# Altium PCB coreBoard_autotrack.PcbDoc (part 1 of 3) (continued)
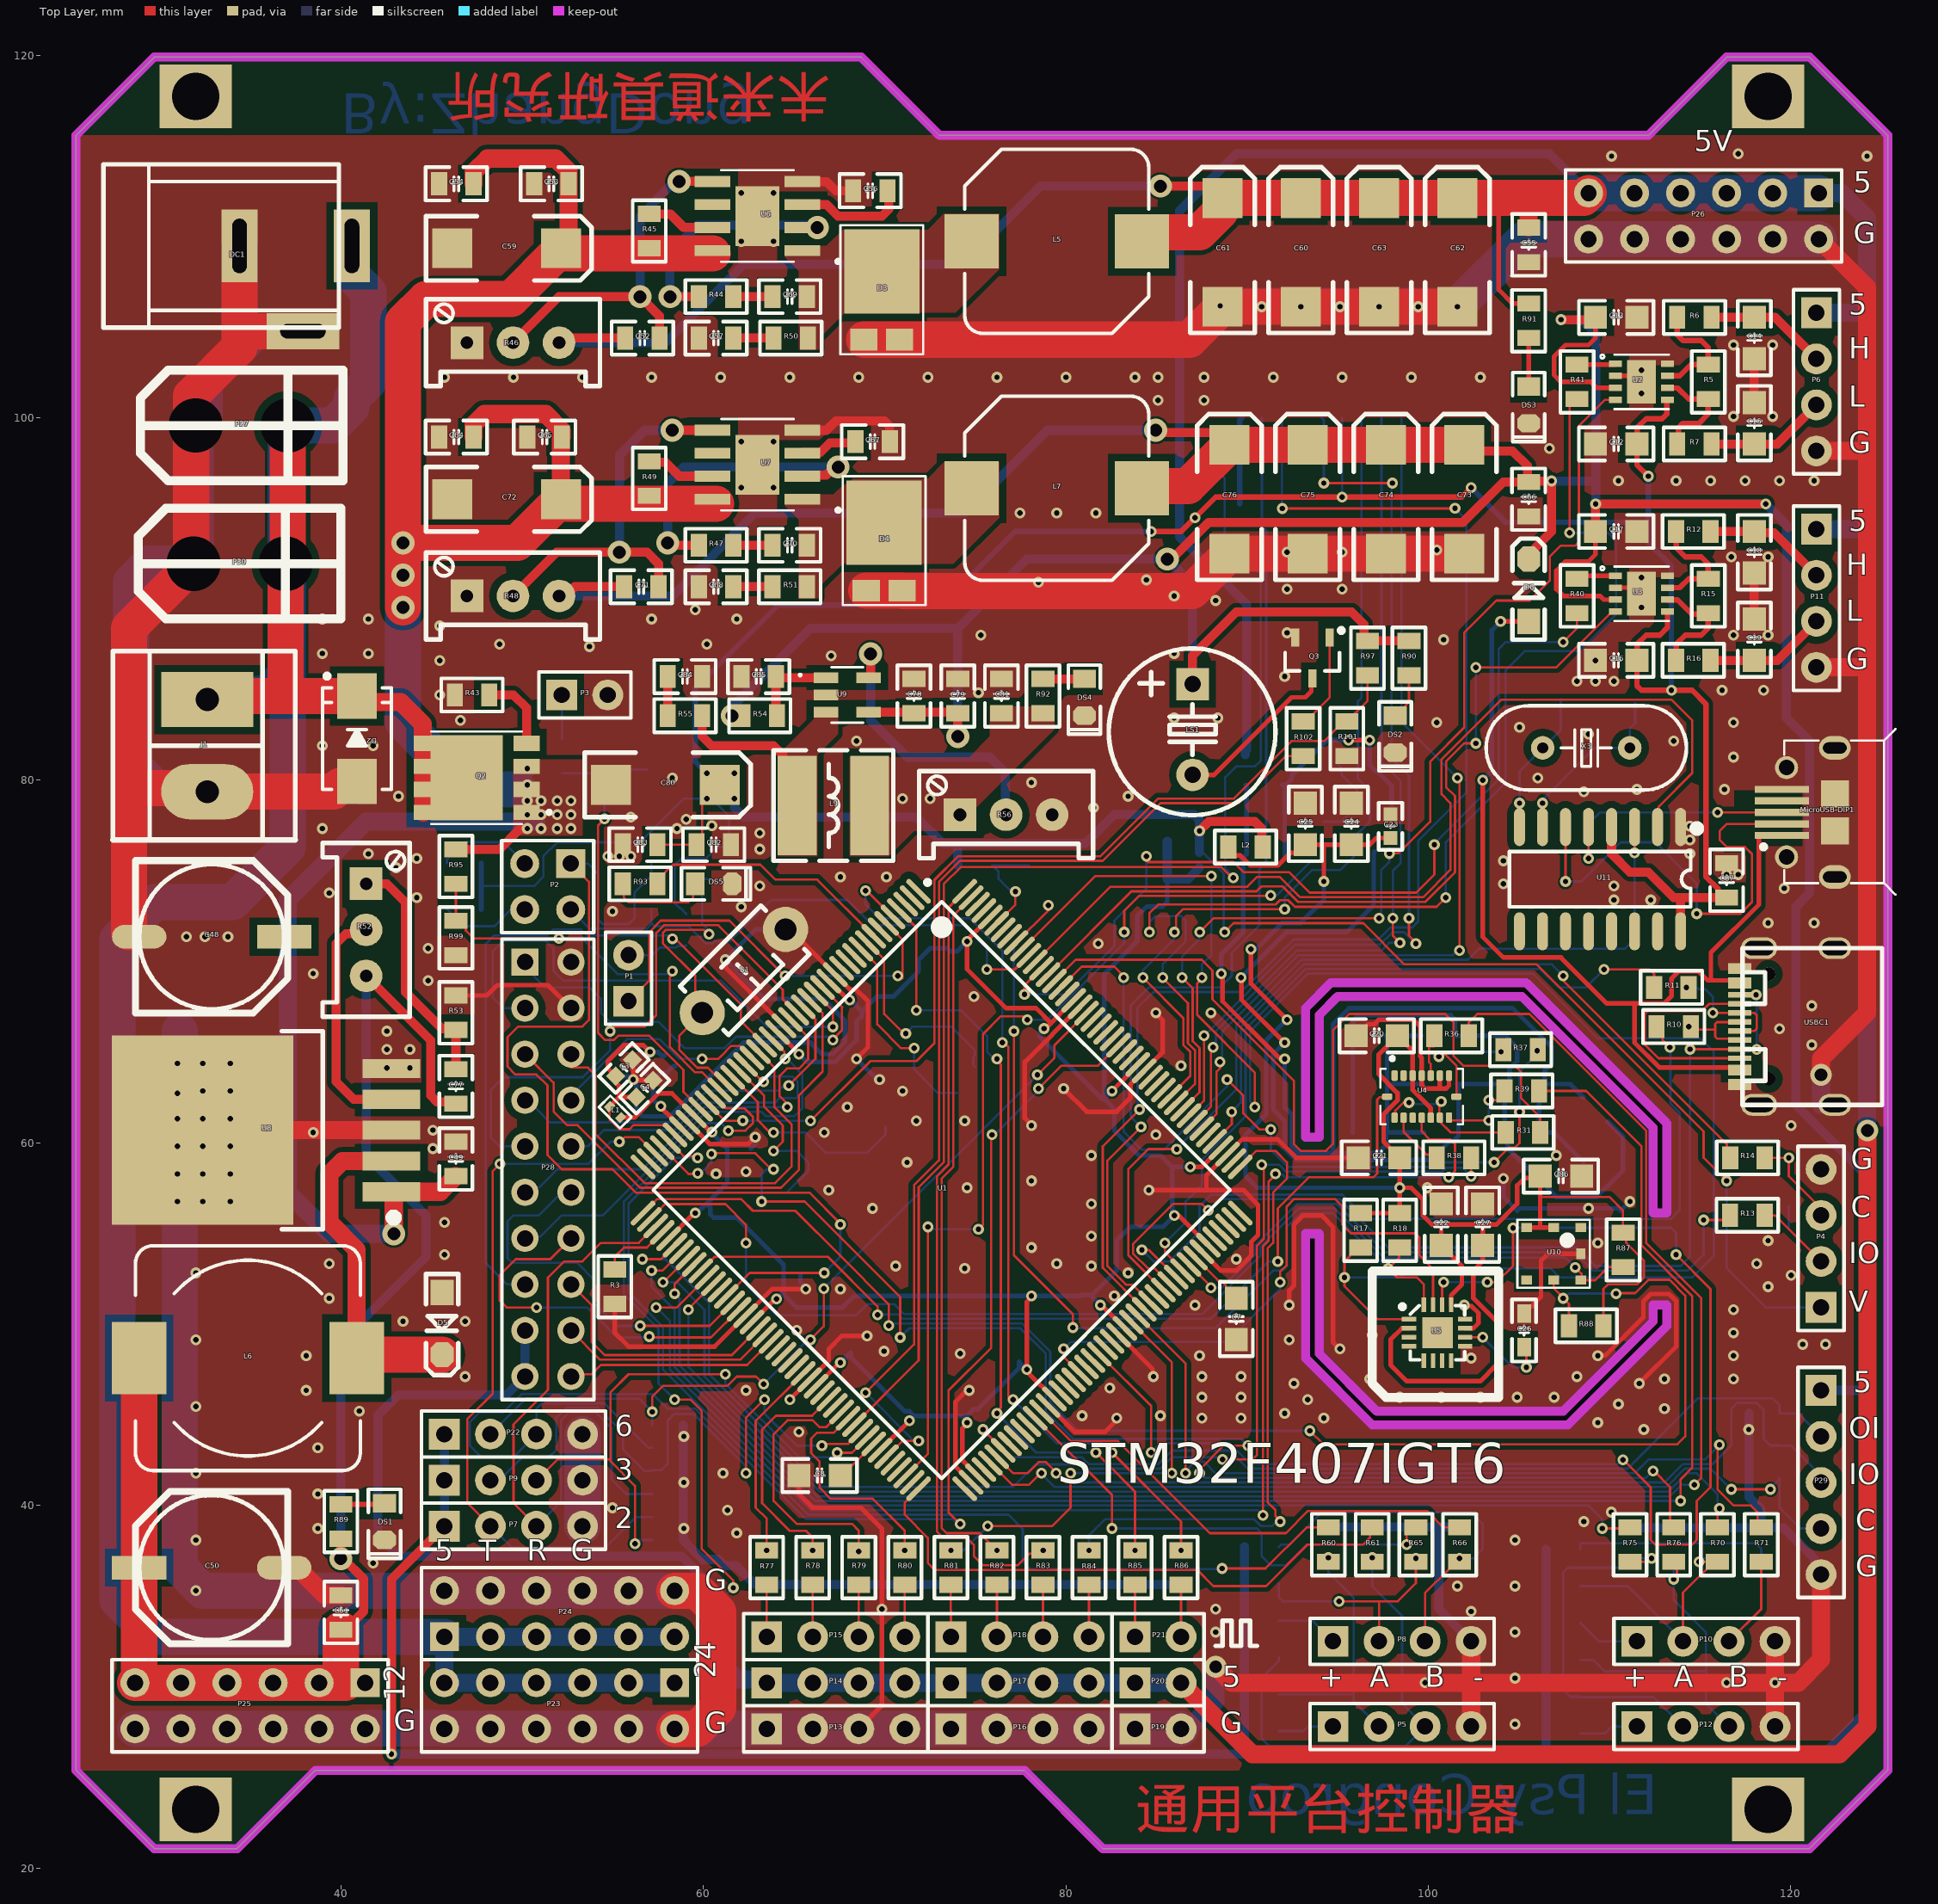
[diagram p0: Top Layer view]
## Components (designator, comment, footprint, x,y, rotation, side; value= is the part's Value field where it differs from the comment) (continued)
P11 "CAN2" HDR2.54-LI-4P 121.412,90.043 r270 top
P12 "E1" HDR2.54-LI-4P 115.316,27.813 r0 top
P13 "Header 4" HDR2.54-LI-4P 67.31,27.686 r0 top
P14 "Header 4" HDR2.54-LI-4P 67.31,30.226 r0 top
P15 "Header 4" HDR2.54-LI-4P 67.31,32.766 r0 top
P16 "Header 4" HDR2.54-LI-4P 77.47,27.686 r0 top
P17 "Header 4" HDR2.54-LI-4P 77.47,30.226 r0 top
P18 "Header 4" HDR2.54-LI-4P 77.47,32.766 r0 top
P19 "Header 2" HDR2.54-LI-2P 85.09,27.686 r0 top
P20 "Header 2" HDR2.54-LI-2P 85.09,30.226 r0 top
P21 "Header 2" HDR2.54-LI-2P 85.09,32.766 r0 top
P22 "USART6" HDR2.54-LI-4P 49.53,43.942 r0 top
P23 "MOTOR" HDR2.54-LI-2x6P 52.07,28.956 r180 top
P24 "USER" HDR2.54-LI-2x6P 52.07,34.036 r0 top
P25 "USER" HDR2.54-LI-2x6P 35,28.956 r180 top
P26 "USER" HDR2.54-LI-2x6P 115.189,111.125 r180 top
P27 "XT30U_M" XT30U-M 37.084,99.568 r90 top
P28 "Header 10X2" HDR10X2_A1 50.165,69.977 r270 top
P29 "SPI2" HDR2.54-LI-5P 121.666,41.275 r270 top
P30 "XT30U_M" XT30U-M 36.957,91.948 r90 top
Q1 "YJL3400A" SOT23-3M 97.028,78.587 r0 bottom
Q2 "TPCA8122" PSOP8 47.498,80.137 r180 top
Q3 "8050" SOT23-3L 93.599,86.741 r180 top
R1 "0805" "R 0402_L" 58.166,64.516 r135 bottom value=47
R3 "0805" "R 0805_L" 55.118,52.07 r270 top value=10K
R4 "0805" "R 0805_L" 61.595,75.372 r270 bottom value=40K
R5 "0805" "R 0805_L" 115.443,101.981 r90 top value=120
R6 "0805" "R 0805_L" 114.681,105.537 r180 top value=0R
R7 "0805" "R 0805_L" 114.681,98.552 r180 top value=0R
R8 "0805" "R 0805_L" 88.646,97.409 r0 bottom value=0
R9 "0805" "R 0805_L" 88.646,95.25 r180 bottom value=10K
R10 "0805" "R 0805_L" 113.538,66.421 r0 top value=22
R11 "0805" "R 0805_L" 113.411,68.58 r0 top value=22
R12 "0805" "R 0805_L" 114.62,93.726 r180 top value=0R
R13 "0805" "R 0805_L" 117.602,56.007 r0 top value=100
R14 "0805" "R 0805_L" 117.604,59.182 r0 top value=100
R15 "0805" "R 0805_L" 115.443,90.17 r90 top value=120
R16 "0805" "R 0805_L" 114.62,86.614 r180 top value=0R
R17 "0805" "R 0805_L" 96.266,55.179 r90 top value=4.7k
R18 "0805" "R 0805_L" 98.425,55.179 r90 top value=4.7k
R19 "0805" "R 0805_L" 100.711,60.579 r180 bottom value=430R
R20 "0805" "R 0805_L" 100.584,65.913 r180 bottom value=430R
R21 "0805" "R 0805_L" 105.156,60.579 r0 bottom value=430R
R22 "0805" "R 0805_L" 109.22,61.849 r135 bottom value=430R
R23 "0805" "R 0805_L" 109.22,58.293 r135 bottom value=430R
R24 "0805" "R 0805_L" 96.774,60.579 r0 bottom value=430R
R25 "0805" "R 0805_L" 105.156,63.246 r0 bottom value=430R
R26 "0805" "R 0805_L" 96.713,65.913 r0 bottom value=430R
R27 "0805" "R 0805_L" 96.774,63.246 r0 bottom value=430R
R28 "0805" "R 0805_L" 100.645,63.246 r180 bottom value=430R
R29 "0805" "R 0805_L" 94.234,76.769 r90 bottom value=120R
R30 "0805" "R 0805_L" 95.819,81.026 r180 bottom value=10K
R31 "0805" "R 0805_L" 105.222,60.579 r180 top value=33.0R
R32 "0805" "R 0805_L" 56.195,75.438 r0 bottom value=10K
R33 "0805" "R 0805_L" 56.195,72.898 r180 bottom value=10K
R34 "0805" "R 0805_L" 46.802,75.438 r180 bottom value=10K
R35 "0805" "R 0805_L" 46.802,72.898 r0 bottom value=1K
R36 "0805" "R 0805_L" 101.285,65.913 r180 top value=12R
R37 "0805" "R 0805_L" 105.09,65.151 r180 top value=200R
R38 "0805" "R 0805_L" 101.412,59.182 r0 top value=12R
R39 "0805" "R 0805_L" 105.156,62.865 r0 top value=51R
R40 "0805" "R 0805_L" 108.204,90.17 r90 top
R41 "0805" "R 0805_L" 108.204,101.981 r90 top value=200R
R42 "0805" "R 0805_L" 74.996,75.311 r0 bottom value=10K
R43 "0805" "R 0805_L" 47.244,84.709 r0 top value=1M
R44 "0805" "R 0805_L" 60.706,106.68 r0 top value=10R
R45 "0805" "R 0805_L" 57.023,110.297 r90 top value=100K
R46 "RPOT" 3296W 49.504,104.14 r0 top value=50K
R47 "0805" "R 0805_L" 60.706,92.964 r0 top value=10R
R48 "RPOT" 3296W 49.504,90.17 r0 top value=50K
R49 "0805" "R 0805_L" 57.023,96.647 r90 top value=100K
R50 "0805" "R 0805_L" 64.831,104.394 r0 top value=1K
R51 "0805" "R 0805_L" 64.77,90.678 r0 top value=1K
R52 "RPOT" 3296W 41.402,71.755 r270 top value=50K
R53 "0805" "R 0805_L" 46.355,67.183 r90 top value=10R
R54 "0805" "R 0805_L" 63.119,83.566 r180 top value=330K
R55 "0805" "R 0805_L" 58.994,83.566 r0 top value=10R-NC
R56 "RPOT" 3296W 76.708,78.105 r0 top value=1K
R57 "0805" "R 0805_L" 90.805,31.623 r180 bottom value=10K
R58 "0805" "R 0805_L" 90.805,29.591 r180 bottom value=10K
R59 "0805" "R 0805_L" 90.805,27.559 r180 bottom value=200
R60 "0805" "R 0805_L" 94.488,37.846 r270 top value=200R
R61 "0805" "R 0805_L" 96.901,37.846 r270 top value=200R
R62 "0805" "R 0805_L" 90.805,37.719 r180 bottom value=10K
R63 "0805" "R 0805_L" 90.805,35.687 r180 bottom value=10K
R64 "0805" "R 0805_L" 90.805,33.655 r180 bottom value=200
R65 "0805" "R 0805_L" 99.314,37.846 r270 top value=200R
R66 "0805" "R 0805_L" 101.727,37.846 r270 top value=200R
R67 "0805" "R 0805_L" 107.442,37.592 r180 bottom value=10K
R68 "0805" "R 0805_L" 107.442,35.56 r180 bottom value=10K
R69 "0805" "R 0805_L" 107.442,33.528 r180 bottom value=200
R70 "0805" "R 0805_L" 115.951,37.846 r270 top value=200R
R71 "0805" "R 0805_L" 118.364,37.846 r270 top value=200R
R72 "0805" "R 0805_L" 107.442,31.496 r180 bottom value=10K
R73 "0805" "R 0805_L" 107.442,29.464 r180 bottom value=10K
R74 "0805" "R 0805_L" 107.442,27.432 r180 bottom value=200
R75 "0805" "R 0805_L" 111.125,37.846 r270 top value=200R
R76 "0805" "R 0805_L" 113.538,37.846 r270 top value=200R
R77 "0805" "R 0805_L" 63.5,36.576 r270 top value=200R
R78 "0805" "R 0805_L" 66.04,36.576 r270 top value=200R
R79 "0805" "R 0805_L" 68.58,36.576 r270 top value=200R
R80 "0805" "R 0805_L" 71.12,36.576 r270 top value=200R
R81 "0805" "R 0805_L" 73.66,36.576 r270 top value=200R
R82 "0805" "R 0805_L" 76.2,36.576 r270 top value=200R
R83 "0805" "R 0805_L" 78.74,36.576 r270 top value=200R
R84 "0805" "R 0805_L" 81.28,36.576 r270 top value=200R
R85 "0805" "R 0805_L" 83.82,36.576 r270 top value=200R
R86 "0805" "R 0805_L" 86.36,36.576 r270 top
R87 "0805" "R 0805_L" 110.744,54.102 r90 top value=4.7k
R88 "0805" "R 0805_L" 108.712,49.911 r0 top value=4.7k
R89 "RES2" "R 0805_L" 40.005,39.116 r270 top value=1K
R90 "RES2" "R 0805_L" 98.933,86.741 r90 top value=1K
R91 "RES2" "R 0805_L" 105.537,105.349 r90 top value=1K
R92 "RES2" "R 0805_L" 78.74,84.648 r270 top value=1K
R93 "RES2" "R 0805_L" 56.515,74.295 r0 top value=1K
R94 "RES2" "R 0805_L" 52.197,81.346 r90 bottom value=10K
R95 "RES2" "R 0805_L" 46.355,75.245 r90 top value=10K
R96 "RES2" "R 0805_L" 60.96,32.258 r270 bottom value=10K
R97 "RES2" "R 0805_L" 96.647,86.741 r90 top value=10K
R98 "RES2" "R 0805_L" 54.737,81.346 r270 bottom value=1K
R99 "RES2" "R 0805_L" 46.355,71.308 r90 top value=1K
R100 "RES2" "R 0805_L" 60.96,35.941 r270 bottom value=1K
R101 "RES2" "R 0805_L" 95.504,82.296 r90 top value=1K
R102 "RES2" "R 0805_L" 93.091,82.296 r270 top value=1K
S1 "SW" "TSW DIP-3*6*4.3" 62.242,69.481 r225 top
SD1 "SDCARD-M" SDCARD-M 96.266,110.998 r90 bottom
U1 "STM32F407IGT6" STM-LQFP176_N 73.152,57.404 r315 top
U2 "TJA1044GTK/3" HVSON8 111.76,101.981 r270 top
U3 "TJA1044GTK/3" HVSON8 111.76,90.297 r270 top
U4 "BMI088" PQFN50P450X300X100-16N 99.637,62.553 r0 top
U5 "IST8310" QFN16 100.508,49.534 r0 top
U6 "MP2482" SOIC9N 62.992,111.125 r180 top
U7 "MP2482" SOIC9N 62.992,97.409 r180 top
U8 "LM2596" TO263-5A 42.795,60.706 r90 top
U9 "SY8089" SOT-23-5L 67.945,84.709 r0 top
U10 "BMP180" BMP180 106.914,53.882 r0 top
U11 "CH340G" SOP16_M 109.474,74.549 r270 top
USBC1 "TYPE-C-31-M-12" TYPE-C-USB-17 119.804,66.423 r90 top
X1 "25M" XTAL-3225 67.437,59.182 r45 bottom
X2 "32.768KHz" XTAL-3215A 72.159,63.523 r45 bottom
X3 "12M" "OSC HC-49S" 108.712,81.788 r180 top
? "Comment" 御坂妹[吧唧] 74.549,99.187 r180 bottom

## Footprints (in the part's own frame and the unit in brackets; to place one, negate y for a bottom-side part, rotate by r counter-clockwise, add the part's x,y. Pads: shape width x height; smd on the part's side, far side on the other; paste and mask are expansions set on the pad)
3296W [mm] "Precise Multi-Winding Adjustable Resistor"
  rect 1.8x1.8 hole 0.7: 1(-2.54,0)
  round 1.8 hole 0.7: 2(0,0) 3(2.54,0)
  silkscreen extent -4.8,-2.4 4.8,2.4, body extent -4.75,-2.4 4.75,2.4, height 11.52
"BEEP 5x9x5.5" [mm] "5*9*5.5mm(脚距,直径,高度)"
  rect 1.8x1.8 hole 0.9: 1(0,-2.5)
  round 1.8 hole 0.9: 2(0,2.5)
  silkscreen extent -4.58,-4.47 4.62,4.72, body extent -4.5,-4.5 4.5,4.5, height 5.45
BMP180 [mm]
  rect 0.6x0.5 smd: 1(1.5,1.45) 2(0,1.45) 3(-1.5,1.45) 4(-1.5,-1.45) 5(0,-1.45) 6(1.5,-1.45)
  rect 0.5x0.6 smd: 7(1.5,0)
  silkscreen extent -2,-1.88 2,1.88
"C 0603_L" [mil] "无极性贴片电容"
  rect 30x30 smd: 1(-25.59,0) 2(25.59,0)
  silkscreen extent -51,-26 51,26, body extent -31,-16 31,16, height 32
"C 0603_M" [mil] "无极性贴片电容"
  rect 40x30 smd: 1(-36.5,0) 2(36.5,0)
  silkscreen extent -68,-26 68,26, body extent -31,-16 31,16, height 32
"C 0805_L" [mil] "无极性贴片电容"
  rect 35x50 smd: 1(-37.4,0) 2(37.4,0)
  silkscreen extent -67,-36 67,36, body extent -39,-24 39,24, height 20
"C 0805_M" [mil] "无极性贴片电容"
  rect 50x50 smd: 1(-45,0) 2(45,0)
  silkscreen extent -81,-36 81,36, body extent -39,-24 39,24, height 20
CD52 [mm] "5.8*5.2*3mm（长宽高）"
  rect 2.15x5.5 smd: 1(-2,0) 2(2,0)
  silkscreen extent -3.3,-3.05 3.3,3.05, body extent -2.87,-2.5 2.87,2.5, height 3.2
"CD C(6032)" [mm] "长6.0mm，宽3.2mm，厚2.5mm"
  rect 2.2x2.2 smd: 1(-3,0) 2(3,0)
  silkscreen extent -4.7,-1.78 4.44,1.78, body extent -3,-1.6 3,1.6, height 2.5
"CM E(8*10.2)" [mm] "贴片电解电容，直径8mm，高10.2mm"
  rect 3x1.3 smd: 1(4,0)
  oval 3x1.3 smd: 2(-4,0)
  silkscreen extent -4.2,-4.2 4.2,4.2, body extent -4.5,-4.15 4.5,4.15, height 10.2
DC-005 [mm] "5.5*2.1mm，DC30V,2.5A"
  rect 2x4 hole 0.8 slot 3 at 90 deg: 1(-6.2,0) 2(0,0)
  rect 4x2 hole 0.8 slot 2.5 at 0 deg: 3(-3.5,4.7)
  silkscreen extent -5.48,-4.5 7.5,4.5, body extent -6.55,-4.5 7.5,4.8, height 11.2
DG1282-5.0 [mil]
  rect 120x200 hole 50: 1(-100,0)
  oval 120x200 hole 50: 2(100,0)
  silkscreen extent -205,-205 205,191
HDR2.54-LI-2P [mm] "排针，2脚"
  rect 1.7x1.7 hole 0.9: 1(-1.27,0)
  round 1.7 hole 0.9: 2(1.27,0)
  silkscreen extent -2.54,-1.27 2.54,1.27, body extent -2.54,-1.27 2.54,1.27, height 8.5
HDR2.54-LI-2x2P [mm] "双排排针，2x2脚"
  rect 1.6x1.6 hole 0.9: 1(-1.27,-1.27)
  round 1.6 hole 0.9: 2(-1.27,1.27) 3(1.27,-1.27) 4(1.27,1.27)
  silkscreen extent -2.54,-2.54 2.54,2.54, body extent -2.54,-2.54 2.54,2.54, height 8.5
HDR2.54-LI-2x6P [mm] "双排排针，6x2脚"
  rect 1.6x1.6 hole 0.9: 1(-6.35,-1.27)
  round 1.6 hole 0.9: 2(-6.35,1.27) 3(-3.81,-1.27) 4(-3.81,1.27) 5(-1.27,-1.27) 6(-1.27,1.27) 7(1.27,-1.27) 8(1.27,1.27) 9(3.81,-1.27) 10(3.81,1.27) 11(6.35,-1.27) 12(6.35,1.27)
  silkscreen extent -7.62,-2.54 7.62,2.54, body extent -7.62,-2.54 7.62,2.54, height 8.5
HDR2.54-LI-4P [mm] "排针，4脚"
  rect 1.7x1.7 hole 0.9: 1(-3.81,0)
  round 1.7 hole 0.9: 2(-1.27,0) 3(1.27,0) 4(3.81,0)
  silkscreen extent -5.08,-1.27 5.08,1.27, body extent -5.08,-1.27 5.08,1.27, height 8.5
HDR2.54-LI-5P [mm] "排针，5脚"
  rect 1.7x1.7 hole 0.9: 1(-5.08,0)
  round 1.7 hole 0.9: 2(-2.54,0) 3(0,0) 4(2.54,0) 5(5.08,0)
  silkscreen extent -6.35,-1.27 6.35,1.27, body extent -6.35,-1.27 6.35,1.27, height 8.5
HDR10X2_A1 [mm] "Connector; Header; 10x2 Position"
  rect 1.5x1.5 hole 0.9: 1(0,0)
  round 1.5 hole 0.9: 2(0,2.54) 3(2.54,0) 4(2.54,2.54) 5(5.08,0) 6(5.08,2.54) 7(7.62,0) 8(7.62,2.54) 9(10.16,0) 10(10.16,2.54) 11(12.7,0) 12(12.7,2.54) 13(15.24,0) 14(15.24,2.54) 15(17.78,0) 16(17.78,2.54) 17(20.32,0) 18(20.32,2.54) 19(22.86,0) 20(22.86,2.54)
  silkscreen extent -1.27,-1.27 24.13,3.81
HVSON8 [mil]
  rect 14x28 smd: 1(-39,-56.4) 2(-13,-56.4) 3(13,-56.4) 4(39,-56.4) 5(39,56.4) 6(13,56.4) 7(-13,56.4) 8(-39,56.4)
  rect 94.49x62.99 smd: 9(0,0)
  silkscreen extent -59,-89 59,59, body extent -56,-60 56,60, height 31
L-SMD-10 [mm] "贴片电感10*10"
  rect 3x3 smd: 1(-4.699,0) 2(4.699,0)
  silkscreen extent -5.08,-5.08 5.08,5.08, body extent -5.08,-5.08 5.08,5.08, height 4
L-SMD-12 [mm] "贴片电感12*12"
  rect 3x4 smd: 1(-6,0) 2(6,0)
  silkscreen extent -6.2,-6.2 6.2,6.2, body extent -6.2,-6.22 6.2,6.17, height 2.5
"LED 0805B" [mil] "蓝色0805LED"
  rect 40x50 smd: 1(-40,0)
  oct 40x50 smd: 2(40,0)
  silkscreen extent -70,-35 80,35, body extent -39,-25 39,25, height 32
MICRO_USB_DIP [mm]
  oval 1.3x1.75 hole 0.6 slot 1.3 at 90 deg: 0(0,0) 0(7.112,0)
  round 1.27 hole 0.85: 0(1.1,2.667) 0(6.027,2.667)
  round 1.27 on Top Paste: 0(1.1,2.667) 1(6.027,2.667)
  rect 1.5x1.55 smd: 0(2.54,0) 0(4.572,0)
  rect 0.4x3 smd: 1(2.286,2.921) 2(2.921,2.921) 3(3.556,2.921) 4(4.191,2.921) 5(4.826,2.921)
  oval 1.3x1.75 on Top Paste: 2(0,0) 3(7.112,0)
  silkscreen extent -0.98,-3.34 8.15,4.06, body extent -0.54,-2.54 7.66,2.89, height 2.68
"OSC HC-49S" [mm]
  round 1.3 hole 0.6: 1(-2.4,0) 2(2.4,0)
  silkscreen extent -5.52,-2.32 5.52,2.33, body extent -5.52,-2.32 5.53,2.33, height 4.13
PQFN50P450X300X100-16N [mm]
  rrect50% 0.35x0.58 smd: 1(-1.5,1.16) 2(-1,1.16) 3(-0.5,1.16) 4(0,1.16) 5(0.5,1.16) 6(1,1.16) 7(1.5,1.16) 9(1.5,-1.16) 10(1,-1.16) 11(0.5,-1.16) 12(0,-1.16) 13(-0.5,-1.16) 14(-1,-1.16) 15(-1.5,-1.16)
  rrect50% 0.58x0.35 smd: 8(1.91,0) 16(-1.91,0)
  silkscreen extent -2.28,-1.53 2.28,2.2
PSOP8 [mm]
  rect 1.45x0.85 smd: 1(-2.75,1.905) 2(-2.75,0.635) 3(-2.75,-0.635) 4(-2.75,-1.905)
  rect 1.05x0.85 smd: 5(2.95,-1.905) 6(2.95,-0.635) 7(2.95,0.635) 8(2.95,1.905)
  rect 4x4.7 smd: 9(0.55,0)
  silkscreen extent -4.1,-2.55 2.5,2.55, body extent -3.05,-2.54 3.05,2.54, height 0.65
QFN16 [mm] "3mm*3mm（蒜米工坊）"
  rect 0.8x0.25 smd: 1(-1.575,0.75) 2(-1.575,0.25) 3(-1.575,-0.25) 4(-1.575,-0.75) 9(1.524,-0.75) 10(1.524,-0.25) 11(1.524,0.25) 12(1.524,0.75)
  rect 0.25x0.8 smd: 5(-0.75,-1.55) 6(-0.25,-1.55) 7(0.25,-1.55) 8(0.75,-1.55) 13(0.75,1.55) 14(0.25,1.55) 15(-0.25,1.55) 16(-0.75,1.55)
  rect 1.7x1.7 smd: 17(0,0)
  silkscreen extent -2.07,-1.5 1.5,1.56, body extent -1.55,-1.52 1.49,1.52, height 0.9
"R 0402_L" [mm] "1/16W贴片电阻"
  rect 0.4x0.5 smd: 1(-0.4,0) 2(0.45,0)
  silkscreen extent -0.8,-0.45 0.85,0.45, body extent -0.5,-0.25 0.5,0.25, height 0.3
"R 0805_L" [mil] "1/8W贴片电阻"
  rect 35x50 smd: 1(-37.4,0) 2(37.4,0)
  silkscreen extent -67,-36 67,36, body extent -39,-25 39,25, height 20
SDCARD-M [mm] "TF卡"
  rect 1.6x0.7 smd: 1(-11.008,2.25) 2(-11.008,1.15) 3(-11.008,0.05) 4(-11.008,-1.05) 5(-11.008,-2.15) 6(-11.008,-3.25) 7(-11.008,-4.35) 8(-11.008,-5.45) 9(-11.008,-6.55)
  rect 1.4x1.2 smd: 10(-10,-8.004)
  rect 2.2x1.7 smd: 11(-0.4,-7.75) 13(-0.4,7.75)
  rect 1.4x1.8 smd: 12(-10,6.85)
  silkscreen extent -10.5,-7.4 4,7.4
SMB [mm] "4.7*3.9*2.2mm(长宽高，不包括引脚）"
  rect 2.5x2.2 smd: 1(-2.35,0) 2(2.35,0)
  silkscreen extent -2.8,-1.9 3.57,1.9, body extent -2.63,-1.8 2.67,1.8, height 2.35
SOD-123 [mil] "2.7x1.6X1.1mm（长宽高，不包括引脚）"
  rect 55x50 smd: 1(-67.5,0)
  oct 55x50 smd: 2(67.5,0)
  silkscreen extent -108,-35 112,35, body extent -73,-31 73,31, height 48
SOD-523 [mm] "1.2x0.8X0.6mm（长宽高，不包括引脚）"
  rect 0.8x0.7 smd: 1(-0.85,0)
  oct 0.8x0.7 smd: 2(0.85,0)
  silkscreen extent -1.4,-0.51 1.45,0.51, body extent -0.8,-0.4 0.8,0.4, height 0.65
SOIC9N [mm]
  rect 1.97x0.6 smd: 1(-2.475,1.905) 2(-2.475,0.635) 3(-2.475,-0.635) 4(-2.475,-1.905) 5(2.475,-1.905) 6(2.475,-0.635) 7(2.475,0.635) 8(2.475,1.905)
  rect 2.41x3.3 smd: 9(0,0)
  silkscreen extent -4.54,-2.53 2,2.6, body extent -2.03,-2.41 2.03,2.41, height 0.76
SOP16_M [mm] "10.3*6.2*1.8mm（长宽高）"
  oval 2.1x0.6 smd: 1(-2.875,4.445) 2(-2.875,3.175) 3(-2.875,1.905) 4(-2.875,0.635) 5(-2.875,-0.635) 6(-2.875,-1.905) 7(-2.875,-3.175) 8(-2.875,-4.445) 9(2.875,-4.445) 10(2.875,-3.175) 11(2.875,-1.905) 12(2.875,-0.635) 13(2.875,0.635) 14(2.875,1.905) 15(2.875,3.175) 16(2.875,4.445)
  silkscreen extent -2.95,-5 1.52,5.49, body extent -3,-5 3,5, height 1.9
SOT23-3L [mm] "3x1.3x1mm(长宽高)"
  rect 0.45x1 smd: 1(-0.95,-1.143) 2(0.95,-1.143) 3(0,1.125)
  silkscreen extent -1.73,-1.65 1.5,0.7, body extent -1.5,-1.2 1.5,1.2, height 1.05
SOT23-3M [mm] "3x1.3x1mm(长宽高)"
  rect 0.6x1.4 smd: 1(-0.95,0) 2(0.95,0) 3(0,2.514)
  silkscreen extent -1.78,-0.63 1.5,1.97, body extent -1.5,0.07 1.5,2.47, height 1.05
SOT-23-5L [mm]
  rect 1.36x0.6 smd: 1(-1.175,0.95) 2(-1.175,0) 3(-1.175,-0.95) 4(1.175,-0.95) 5(1.175,0.95)
  silkscreen extent -2.67,-1.53 0.88,1.53, body extent -1.02,-1.52 1.02,1.52, height 1
STM-LQFP176_N [mm] "Thin QFP, 176-Leads, Body 24x24mm, Pitch 0.5mm, IPC Medium Density"
  oval 1.8x0.3 smd: 1(-12.55,10.75) 2(-12.55,10.25) 3(-12.55,9.75) 4(-12.55,9.25) 5(-12.55,8.75) 6(-12.55,8.25) 7(-12.55,7.75) 8(-12.55,7.25) 9(-12.55,6.75) 10(-12.55,6.25) 11(-12.55,5.75) 12(-12.55,5.25) 13(-12.55,4.75) 14(-12.55,4.25) 15(-12.55,3.75) 16(-12.55,3.25) 17(-12.55,2.75) 18(-12.55,2.25) 19(-12.55,1.75) 20(-12.55,1.25) 21(-12.55,0.75) 22(-12.55,0.25) 23(-12.55,-0.25) 24(-12.55,-0.75) 25(-12.55,-1.25) 26(-12.55,-1.75) 27(-12.55,-2.25) 28(-12.55,-2.75) 29(-12.55,-3.25) 30(-12.55,-3.75) 31(-12.55,-4.25) 32(-12.55,-4.75) 33(-12.55,-5.25) 34(-12.55,-5.75) 35(-12.55,-6.25) 36(-12.55,-6.75) 37(-12.55,-7.25) 38(-12.55,-7.75) 39(-12.55,-8.25) 40(-12.55,-8.75) 41(-12.55,-9.25) 42(-12.55,-9.75) 43(-12.55,-10.25) 44(-12.55,-10.75) 89(12.55,-10.75) 90(12.55,-10.25) 91(12.55,-9.75) 92(12.55,-9.25) 93(12.55,-8.75) 94(12.55,-8.25) 95(12.55,-7.75) 96(12.55,-7.25) 97(12.55,-6.75) 98(12.55,-6.25) 99(12.55,-5.75) 100(12.55,-5.25) 101(12.55,-4.75) 102(12.55,-4.25) 103(12.55,-3.75) 104(12.55,-3.25) 105(12.55,-2.75) 106(12.55,-2.25) 107(12.55,-1.75) 108(12.55,-1.25) 109(12.55,-0.75) 110(12.55,-0.25) 111(12.55,0.25) 112(12.55,0.75) 113(12.55,1.25) 114(12.55,1.75) 115(12.55,2.25) 116(12.55,2.75) 117(12.55,3.25) 118(12.55,3.75) 119(12.55,4.25) 120(12.55,4.75) 121(12.55,5.25) 122(12.55,5.75) 123(12.55,6.25) 124(12.55,6.75) 125(12.55,7.25) 126(12.55,7.75) 127(12.55,8.25) 128(12.55,8.75) 129(12.55,9.25) 130(12.55,9.75) 131(12.55,10.25) 132(12.55,10.75)
  oval 0.3x1.8 smd: 45(-10.75,-12.55) 46(-10.25,-12.55) 47(-9.75,-12.55) 48(-9.25,-12.55) 49(-8.75,-12.55) 50(-8.25,-12.55) 51(-7.75,-12.55) 52(-7.25,-12.55) 53(-6.75,-12.55) 54(-6.25,-12.55) 55(-5.75,-12.55) 56(-5.25,-12.55) 57(-4.75,-12.55) 58(-4.25,-12.55) 59(-3.75,-12.55) 60(-3.25,-12.55) 61(-2.75,-12.55) 62(-2.25,-12.55) 63(-1.75,-12.55) 64(-1.25,-12.55) 65(-0.75,-12.55) 66(-0.25,-12.55) 67(0.25,-12.55) 68(0.75,-12.55) 69(1.25,-12.55) 70(1.75,-12.55) 71(2.25,-12.55) 72(2.75,-12.55) 73(3.25,-12.55) 74(3.75,-12.55) 75(4.25,-12.55) 76(4.75,-12.55) 77(5.25,-12.55) 78(5.75,-12.55) 79(6.25,-12.55) 80(6.75,-12.55) 81(7.25,-12.55) 82(7.75,-12.55) 83(8.25,-12.55) 84(8.75,-12.55) 85(9.25,-12.55) 86(9.75,-12.55) 87(10.25,-12.55) 88(10.75,-12.55) 133(10.75,12.55) 134(10.25,12.55) 135(9.75,12.55) 136(9.25,12.55) 137(8.75,12.55) 138(8.25,12.55) 139(7.75,12.55) 140(7.25,12.55) 141(6.75,12.55) 142(6.25,12.55) 143(5.75,12.55) 144(5.25,12.55) 145(4.75,12.55) 146(4.25,12.55) 147(3.75,12.55) 148(3.25,12.55) 149(2.75,12.55) 150(2.25,12.55) 151(1.75,12.55) 152(1.25,12.55) 153(0.75,12.55) 154(0.25,12.55) 155(-0.25,12.55) 156(-0.75,12.55) 157(-1.25,12.55) 158(-1.75,12.55) 159(-2.25,12.55) 160(-2.75,12.55) 161(-3.25,12.55) 162(-3.75,12.55) 163(-4.25,12.55) 164(-4.75,12.55) 165(-5.25,12.55) 166(-5.75,12.55) 167(-6.25,12.55) 168(-6.75,12.55) 169(-7.25,12.55) 170(-7.75,12.55) 171(-8.25,12.55) 172(-8.75,12.55) 173(-9.25,12.55) 174(-9.75,12.55) 175(-10.25,12.55) 176(-10.75,12.55)
  silkscreen extent -12.67,-11.25 11.25,11.57, body extent -12,-12 12,12, height 1.6
TO263-5A [mm] "263，5脚晶体管"
  rect 1.05x3.2 smd: 1(-3.4,0) 2(-1.7,0) 3(0,0) 4(1.7,0) 5(3.4,0)
  rect 10.45x10 smd: 3(0,10.414)
  silkscreen extent -5.46,-0.33 5.46,6.04, body extent -5,-0.01 5,13.32, height 4.5
TO-277 [mm]
  rect 1.2x1.5 smd: 1(2.75,0.985) 2(2.75,-0.985)
  rect 4.65x4.15 smd: 3(-1,0)
  silkscreen extent -3.56,-2.29 3.56,2.29, body extent -3.49,-2.03 3.05,2.22, height 0.85
"TSW DIP-3*6*4.3" [mm] "3*6*4.3mm"
  round 2.5 hole 1.2: 1(3.25,0) 2(-3.25,0)
  silkscreen extent -3.21,-1.9 3.09,1.9, body extent -3.91,-1.75 3.91,1.75, height 4.31
TYPE-C-USB-17 [mm]
  oval 1.2x1.8 hole 0.8 slot 1.4 at 90 deg: 0(-4.32,-2.624) 0(4.32,-2.624)
  oval 1.2x2 hole 0.8 slot 1.6 at 90 deg: 0(-4.32,1.556) 0(4.32,1.556)
  rect 0.3x1.3 smd: A1(-3.35,2.623) A4(-2.55,2.623) A5(-1.25,2.623) A6(-0.25,2.623) A7(0.25,2.623) A8(-1.75,2.624) A9(2.55,2.623) A12(3.35,2.623) B1(3.05,2.623) B4(2.25,2.623) B5(1.75,2.623) B6(0.75,2.623) B7(-0.75,2.623) B8(1.25,2.624) B9(-2.25,2.623) B12(-3.05,2.623)
  round 0.75 hole 0.75 unplated: ""(-2.89,1.026) ""(2.89,1.026)
  silkscreen extent -4.32,-5.23 4.32,2.47, body extent -4.45,-5.03 4.45,2.53, height 3.29
XT30U-M [mm]
  rect 0x0 / inner rect 4x6 / far side rect 4x6 hole 3 copper offset 0,-1.5: 1(0,0)
  rect 0x0 / inner rect 4x6 / far side rect 4x6 hole 3 copper offset 0,1.5: 2(0,5.08)
  silkscreen extent -3.05,-3.05 3.05,8.13, body extent -3.05,-3.05 3.05,8.64, height 13.7
XTAL-3215A [mm]
  rect 1x1.3 smd: 1(0,0) 2(3.2,0)
  silkscreen extent -0.65,-0.8 3.85,0.8, body extent 0,-0.76 3.2,0.74, height 0.81
XTAL-3225 [mm]
  rect 1x1 smd: 1(-1.346,-0.965) 2(1.346,-0.965) 3(1.346,0.94) 4(-1.346,0.94)
  silkscreen extent -1.98,-1.65 1.7,1.3, body extent -1.55,-1.28 1.65,1.22, height 0.72
御坂妹[吧唧] [mm]
  silkscreen extent -10.59,-11.25 10.59,14.12

## Part data
C1 C2 C3 C4 C5 C6 C7 C8 C9 C10 C11 C12 C13 C14 C15 C16 C17 C18 C19 C20 C21 C22 C23 C24 C25 C26 C27 C28 C29 C30 C31 C32 C33 C34 C35 C36 C37 C38 C39 C40 C41 C42 C43 C44 C45 C46 C47 C58 C86: library part CAP
D1 D5 D6: "High Conductance Fast Diode", Code_JEDEC=DO-204-AH, ComponentLink1Description="Manufacturer Link", ComponentLink1URL=http://www.fairchildsemi.com/, ComponentLink2Description=Datasheet, ComponentLink2URL=http://www.fairchildsemi.com/ds/1N%2F1N4148.pdf, DatasheetVersion=1997, LatestRevisionDate=17-Jul-2002, LatestRevisionNote="Re-released for DXP Platform.", PackageDescription="Diode, Axial; Body 3.8 x 1.9 mm (LxDia. max), Lead Dia. 0.53 mm (max)", PackageReference=DO-35, Published=8-Jun-2000, Publisher="Altium Limited"
D2 D7 D8 D9 D10 D11 D12 D14 D15 D16 D17 D18 D19 D20 D21 D22 D23 D24 D25 D26 D27 D28 D29 D30 D31 D32 D33 D34 D35 D36 D37 D39 D40: library part D, "High Conductance Fast Diode", Code_JEDEC=DO-204-AH, ComponentLink1Description="Manufacturer Link", ComponentLink1URL=http://www.fairchildsemi.com/, ComponentLink2Description=Datasheet, ComponentLink2URL=http://www.fairchildsemi.com/ds/1N%2F1N4148.pdf, DatasheetVersion=1997, LatestRevisionDate=17-Jul-2002, LatestRevisionNote="Re-released for DXP Platform.", PackageDescription="Diode, Axial; Body 3.8 x 1.9 mm (LxDia. max), Lead Dia. 0.53 mm (max)", PackageReference=DO-35, Published=8-Jun-2000, Publisher="Altium Limited"
L1 L2 L3 L4 L8 R1 R3 R4 R5 R6 R7 R8 R9 R10 R11 R12 R13 R14 R15 R16 R17 R18 R19 R20 R21 R22 R23 R24 R25 R26 R27 R28 R29 R30 R31 R32 R33 R34 R35 R36 R37 R38 R39 R40 R41 R42 R43 R44 R45 R47 R49 R50 R51 R53 R54 R55 R57 R58 R59 R60 R61 R62 R63 R64 R65 R66 R67 R68 R69 R70 R71 R72 R73 R74 R75 R76 R77 R78 R79 R80 R81 R82 R83 R84 R85 R86 R87 R88: library part RES2, "Resistor", LatestRevisionDate=17-Jul-2002, LatestRevisionNote="Re-released for DXP Platform.", PackageDescription="Axial Device, Thru-Hole; 2 Leads; 0.3 in Pin Spacing", PackageReference=AXIAL-0.3, Published=8-Jun-2000, Publisher="Altium Limited"
L5 L6 L7 L9: "电感", Code_IEC=1005, Code_JEITA=0402, LatestRevisionDate=17-Jul-2002, LatestRevisionNote="Re-released for DXP Platform.", PackageReference=0402-A, Published=8-Jun-2000, Publisher="Altium Limited"
LS1: "Loudspeaker", LatestRevisionDate=17-Jul-2002, LatestRevisionNote="Re-released for DXP Platform.", PackageReference=PIN2, Published=24-Mar-1999, Publisher="Altium Limited"
P1 P3 P19 P20 P21: "Header, 2-Pin", LatestRevisionDate=17-Jul-2002, LatestRevisionNote="Re-released for DXP Platform.", Publisher="Altium Limited"
P2: "Header, 2-Pin, Dual row", LatestRevisionDate=17-Jul-2002, LatestRevisionNote="Re-released for DXP Platform.", Publisher="Altium Limited"
P4 P13 P14 P15 P16 P17 P18: "Header, 4-Pin", LatestRevisionDate=17-Jul-2002, LatestRevisionNote="Re-released for DXP Platform.", Publisher="Altium Limited"
P5 P6 P7 P8 P9 P10 P11 P12 P22: library part "Header 4", "Header, 4-Pin", LatestRevisionDate=17-Jul-2002, LatestRevisionNote="Re-released for DXP Platform.", Publisher="Altium Limited"
P23 P24 P25 P26: library part "Header 6X2", "Header, 6-Pin, Dual row", LatestRevisionDate=17-Jul-2002, LatestRevisionNote="Re-released for DXP Platform.", Publisher="Altium Limited"
P28: "Header, 10-Pin", LatestRevisionDate=17-Jul-2002, LatestRevisionNote="Re-released for DXP Platform.", Publisher="Altium Limited"
P29: library part "Header 5", "Header, 5-Pin", LatestRevisionDate=17-Jul-2002, LatestRevisionNote="Re-released for DXP Platform.", Publisher="Altium Limited"
Q1: library part "MOSFET N"
Q3: library part "NPN  SOT", "NPN Bipolar Transistor", Code_JEDEC=TO-226-AA, LatestRevisionDate=17-Jul-2002, LatestRevisionNote="Re-released for DXP Platform.", PackageDescription="TO, Flat Index; 3 In-Line, Axial Leads; Body Dia. 4.8mm; Leads 0.55 x 0.51 mm (max)", PackageReference=TO-226-AA, Published=8-Jun-2000, Publisher="Altium Limited"
R46 R48 R52 R56: "Potentiometer", LatestRevisionDate=17-Jul-2002, LatestRevisionNote="Re-released for DXP Platform.", PackageDescription="Variable Resistor, Thru-Hole; 3 Leads", PackageReference=VR5, Published=8-Jun-2000, Publisher="Altium Limited", Set Position=0.5, Sim Note="Enter the Resistance value and the set point into parameter fields."
R89 R90 R91 R92 R93 R94 R95 R96 R97 R98 R99 R100 R101 R102: "Resistor", LatestRevisionDate=17-Jul-2002, LatestRevisionNote="Re-released for DXP Platform.", PackageDescription="Axial Device, Thru-Hole; 2 Leads; 0.3 in Pin Spacing", PackageReference=AXIAL-0.3, Published=8-Jun-2000, Publisher="Altium Limited"
SD1: "TF卡槽"
U1: "ARM Cortex-M4 32-bit MCU+FPU, 210 DMIPS, 1024 kB Flash, 192 kB Internal RAM, 140 I/Os, 176-pin LQFP, -40 to 85 degC, Tray", I/Os (High Current)=140, Manufacturer=STMicroelectronics, Operating Frequency(F) (Processor speed) (MHz)=168, Supplier Part Number 1=497-11604-ND, Supply Voltage(Vcc) max (V)=3.6, Supply Voltage(Vcc) min (V)=1.8, ComponentLink1Description="Manufacturer URL", ComponentLink1URL=http://www.st.com/web/en/home.html, ComponentLink2Description=Datasheet, ComponentLink2URL=http://www.st.com/st-web-ui/static/active/en/resource/technical/document/datasheet/DM00037051.pdf, ComponentLink3Description="Package Specification", ComponentLink3URL=http://www.st.com/st-web-ui/static/active/en/resource/technical/document/datasheet/DM00035129.pdf, Core="ARM Cortex-M4", D/A Converter=2x12-bit, DatasheetVersion="Rev. 4", FLASH Size (Prog) (kB)=1024, Internal RAM Size (kB)=192, Mounting Technology="Surface Mount", PackageDescription="176-Pin Low Profile Quad Flat Package, 24 x 24 mm Body, 0.5 mm Pitch", PackageReference=LQFP176, PackageVersion="Rev. 4, 06/2013", Packing=Tray, PartNumber=STM32F407IGT6, Supplier 1=Digi-Key, Supplier 2=Farnell, Supplier 3=Newark, Supplier 4=Mouser, Supplier Part Number 2=2064366, Supplier Part Number 3=73T2331, Supplier Part Number 4=511-STM32F407IGT6
U4: "Accelerometer, Gyroscope, 6 Axis Sensor IÂ²C, SPI Output", Package="VFLGA-16 Bosch Sensortec", Availability=Unavailable, MF="Bosch Sensortec", MP=BMI088, Price=None, SnapEDA_Link=https://www.snapeda.com/parts/BMI088/Bosch%20Sensortec/view-part/2774026/?ref=snap
U8: library part LM2576S
U10: "Pressure Sensor 4.35PSI ~ 15.95PSI _30kPa ~ 110kPa_ Absolute 16 ~ 19 b 7-VLGA", Package="VLGA-7 Bosch Sensortec", Digi-Key_Part_Number=828-1027-1-ND, Digi-Key_Purchase_URL=https://www.digikey.com/product-detail/en/bosch-sensortec/BMP180/828-1027-1-ND/2688260?utm_source=snapeda&utm_medium=aggregator&utm_campaign=symbol, MF="Bosch Sensortec", MP=BMP180, SnapEDA_Link=https://www.snapeda.com/parts/BMP180/Bosch%20Sensortec/view-part/587596/?ref=snap
X1: library part XTAL-4, "4脚晶振", BOM名称=4脚晶振, 版权归属=源创客, 学习资源=www.ooocke.com
X2: library part XTAL-2, "2脚晶振", BOM名称=2脚晶振, 版权归属=源创客, 学习资源=www.ooocke.com
X3: library part YX
S1: LatestRevisionDate=17-Jul-2002, LatestRevisionNote="Re-released for DXP Platform.", Published=24-Mar-1999, Publisher="Altium Limited"

## Free pads (board coordinates)
  rect 4x3.5 hole 2.6: 0(32.004,23.241) 0(32.004,117.729) 0(118.745,23.241) 0(118.745,117.729)

## Via types
v1: diameter 0.6, hole 0.3, Top Layer to Bottom Layer, tented both sides, 587 vias
v2: diameter 0.6, hole 0.3, Top Layer to Bottom Layer, 20 vias
v3: diameter 1.27, hole 0.711, Top Layer to Bottom Layer, tented both sides, 19 vias
v4: diameter 1.2, hole 0.7, Top Layer to Bottom Layer, tented both sides, 3 vias

## Nets (pads, with @x,y where several pads share a name; then routed paths per layer and width w, separated by ;. In a path a pad name is that pad's centre, name@x,y a point inside that pad or via, vN(x,y) a via of type N, cw(c..) or ccw(c..) an arc to the next point about the centre after c; other vN are vias at no path point)
BOOT0: P2.2 R33.1 U1.166 | length 30.7
  Top Layer w0.127: v1(75.641,69.571) 77.187,69.571 U1.166@77.96,70.344
  Bottom Layer w0.127: P2.2@52.69,72.871 53.742,71.819 56.896,71.819 57.145,72.116 ; R33.1@57.145,72.898 57.145,72.116 ; v1(75.641,69.571) 75.641,70.734 74.366,72.009 69.342,72.009 67.945,73.406 63.754,73.406 61.468,71.12 60.62,71.12 60.528,71.028 60.122,71.028 60.03,71.12 60.02,71.12 59.181,71.959 57.301,71.959 57.145,72.116
BOOT1: P2.1 R32.2 U1.58 | length 58.7
  Top Layer w0.127: P2.1@52.69,75.411 53.696,74.405 53.696,66.777 53.34,66.421 49.784,66.421 49.2,65.837 49.2,64.211 49.632,63.779 50.8,63.779 51.41,63.17 51.41,59.334 52.197,58.547 54.991,58.547 56.277,57.261 65.852,57.261 v1@67.589,55.524 ; U1.58@61.273,51.535 62.57,52.832 v1(66.675,52.832)
  Bottom Layer w0.127: P2.1@52.69,75.411 53.645,75.411 54.196,74.86 54.196,72.334 54.458,72.072 55.88,72.072 56.22,72.413 56.22,73.828 57.145,74.752 R32.2@57.145,75.438 ; v1(66.675,52.832) 67.564,53.721 v1(67.564,55.499)
CC: U1.121 USBC1.A5 USBC1.B5 | length 55.5
  Top Layer w0.127: U1.121@85.739,52.242 84.895,53.086 84.523,53.086 83.711,53.899 83.711,54.417 85.936,56.642 87.503,56.642 v1(87.866,56.279) ; v1(114.435,65.169) 116.673,65.169 v1@117.838,65.169 ; USBC1.A5@117.602,65.169 v1@117.838,65.169 ; v1(118.11,65.151) 117.82,65.151 v1@117.838,65.169
  Bottom Layer w0.127: v1(87.866,56.279) 87.908,56.279 88.525,56.896 95.123,56.896 97.79,54.229 108.204,54.229 109.22,53.213 113.919,53.213 114.435,53.729 v1(114.435,65.169) ; v1(118.084,68.172) 118.11,68.146 v1(118.11,65.151)
DN: D9.2 R10.2 USBC1.A7 USBC1.B7 | length 4.5
  Top Layer w0.127: R10.2@114.361,65.938 v1(114.361,66.421) ; R10.2@114.488,66.484 R10.2@114.488,66.421 114.666,66.243 115.824,66.243 ; USBC1.B7@116.673,65.669 116.586,65.755 115.928,65.755 115.824,65.86 115.824,66.243 ; USBC1.A7@116.673,66.669 115.92,66.669 115.824,66.573 115.824,66.243
DP: D7.2 R11.2 USBC1.A6 USBC1.B6 | length 7
  Top Layer w0.127: v1(114.234,68.58) 114.234,68.351 114.361,68.224 R11.2@114.361,68.58 ; v1(115.697,67.178) 115.702,67.178 115.704,67.176 116.666,67.176 116.673,67.169 USBC1.B6@117.181,67.169 ; USBC1.A6@117.181,66.173 117.989,66.173 118.11,66.294 118.11,67.056 117.993,67.173 USBC1.B6@117.181,67.173
  Bottom Layer w0.127: D7.2@114.808,68.58 114.913,68.475 115.294,68.475 115.697,68.072 v1(115.697,67.178)
FB_1: C52.2 R46.2 U6.5 | length 20
  Top Layer w0.5: R46.2@49.504,104.14 52.044,106.68 v3(56.515,106.68) 57.592,105.603 C52.2@57.592,104.394 ; v3(58.674,113.03) U6.5@60.517,113.03
  Bottom Layer w0.5: v3(56.515,106.68) 56.515,111.125 58.42,113.03 v3(58.674,113.03)
FB_2: C71.2 R48.2 U7.5 | length 21.6
  Top Layer w0.5: R48.2@49.504,90.17 51.917,92.583 v3(55.372,92.583) 56.896,92.583 57.531,91.948 C71.2@57.531,90.678 ; v3(58.293,99.314) U7.5@60.517,99.314
  Bottom Layer w0.5: v3(55.372,92.583) 55.372,97.917 56.769,99.314 v3(58.293,99.314)
FB_3: R56.2 U9.5 | length 16.1
  Top Layer w0.5: U9.5@69.12,85.659 69.181,85.659 69.231,85.709 v3(69.231,86.979)
  Bottom Layer w0.5: v3(69.231,86.979) 69.231,83.296 71.247,81.28 75.819,81.28 76.676,80.423 76.676,78.137 R56.2@76.708,78.105